# EAGLE board Mk4 Final a Panel score 2x5 (EAGLE 9.0.1), part 20 of 29 (continued)
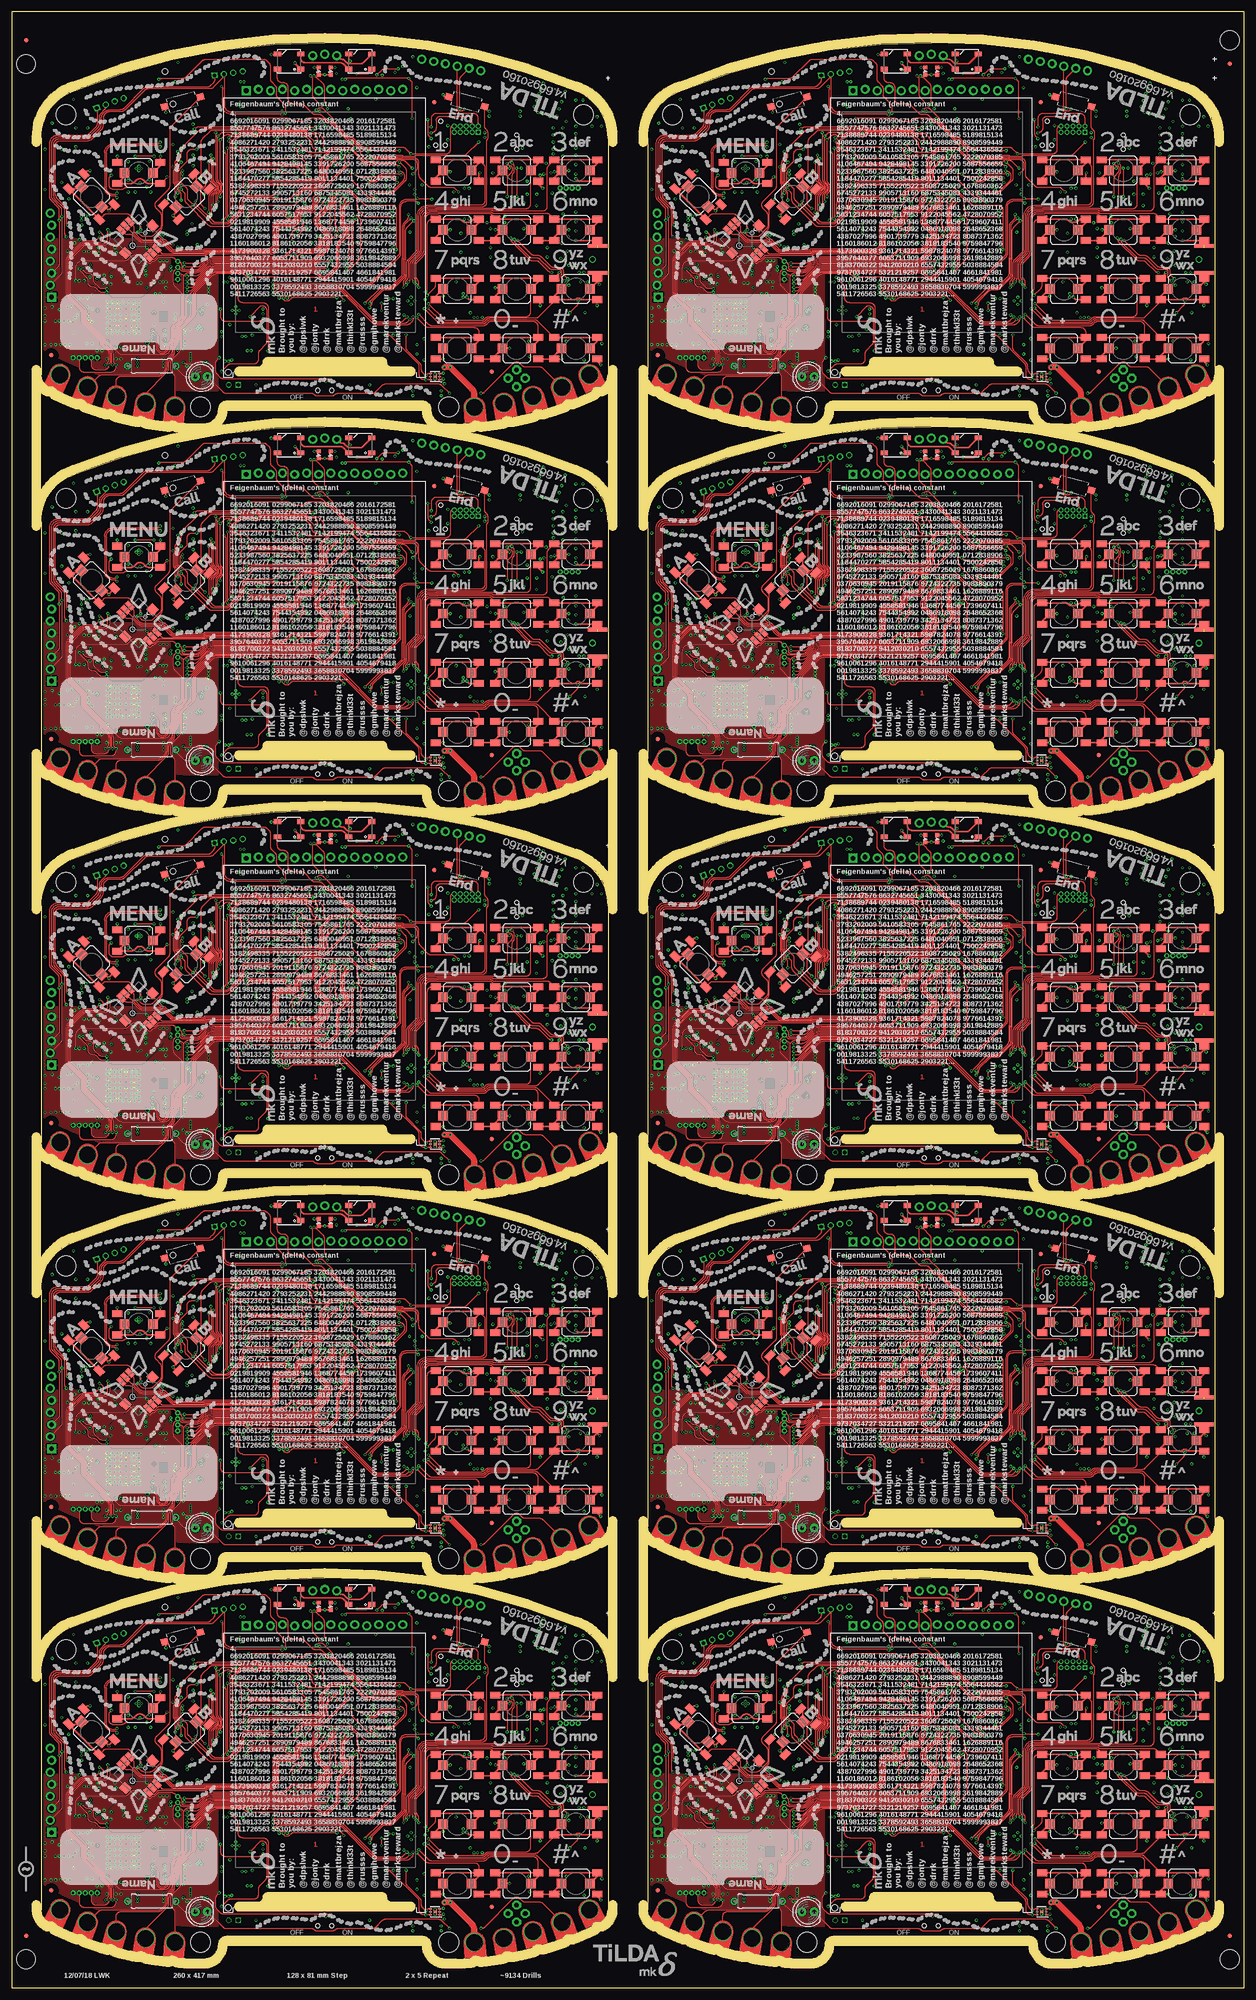
[diagram p0: board, top side]
## Tracks (layer width: path | path; a pad name or v marks a point on that pad's centre or on a via) (continued)
SDRAM_A20  (via drill 0.3)
  Top 0.15: v190.3,58.3 188.49,60.11 arc45 187.79,60.4 185.43,60.4 arc-45 185.28,60.46 185.28,60.47 arc45 185.13,60.52 178.94,60.52 arc45 178.23,60.23 v177.5,59.5 | v169,59.5 169,56.83 arc-45 168.71,56.12 168.14,55.56 arc45 167.85,54.85 167.85,52.81 arc45 168.14,52.11 v168.75,51.5
  Bottom 0.15: v177.5,59.5 IC19.13 v169,59.5 | IC19.32 v168.75,51.5 | IC20.25 190.6,53.26 190.62,53.28 190.62,57.56 arc45 190.33,58.27 v190.3,58.3
SDRAM_A21  (via drill 0.3)
  Top 0.15: v183.75,54.1 v183.74,54.09 arc-45 183.04,53.8 177.75,53.8 arc90 176.5,52.55 176.5,51.5 arc-45 176.21,50.79 173.88,48.47 arc-45 173.18,48.17 170.74,48.17 arc-45 170.03,48.47 v166.25,52.25 165.29,53.21 arc-45 165,53.91 165,55.33 arc45 164.71,56.03 163.47,57.27 arc-45 163.4,57.45 163.4,58.69 arc-45 163.55,59.05 v164,59.5
  Bottom 0.15: IC19.42 v164,59.5 | IC19.33 165.7,52.3 arc45 165.82,52.25 v166.25,52.25 | IC20.40 185.66,55.6 arc45 184.96,55.31 v183.75,54.1
SDRAM_A22  (via drill 0.3)
  Top 0.15: v163.75,53.25 163.75,54.34 arc45 163.46,55.05 163.38,55.12 arc-45 163.16,55.65 163.16,56.58 arc45 163.09,56.76 162.87,56.98 arc-45 162.8,57.16 162.8,59.24 arc-45 162.95,59.59 163.02,59.67 arc45 163.16,60.02 163.16,60.25 arc-45 163.46,60.96 v163.75,61.25 | v184.65,55.75 183.32,54.42 arc-45 182.61,54.12 177.5,54.12 arc90 176,52.62 176,51.42 arc-45 175.71,50.72 173.76,48.77 arc-45 173.05,48.48 171.2,48.48 arc-45 170.49,48.77 167.04,52.22 arc-45 166.75,52.92 v166.75,53
  Bottom 0.15: IC19.44 164.65,61.1 164.65,61.1 arc45 164.29,61.25 v163.75,61.25 | v163.75,53.25 164.29,53.25 arc-45 164.65,53.1 IC19.34 166.51,53.1 arc-45 v166.75,53 | IC20.41 185.25,56 arc45 v184.65,55.75
SDRAM_A23  (via drill 0.3)
  Top 0.15: v177.5,52.25 177.57,52.17 187.35,52.17 arc45 188.06,52.47 188.9,53.31 arc45 189.05,53.66 v189.05,53.8 | v170.5,52.25 170.5,53.95 arc-45 170.79,54.65 171.48,55.34 arc90 171.48,56.4 170.79,57.09 arc-45 170.5,57.8 v170.5,62
  Bottom 0.15: IC19.45 165.82,61.9 arc45 165.96,61.96 arc-45 166.06,62 v170.5,62 | v177.5,52.25 177,52.25 176.95,52.3 IC19.22 175.8,52.3 arc-45 175.68,52.25 v170.5,52.25 | IC20.50 187.54,59.6 arc-45 188.24,59.31 188.76,58.79 arc-45 189.05,58.09 v189.05,53.8
SDRAM_A24  (via drill 0.3)
  Top 0.15: v163,54.75 163,55.08 162.86,55.22 162.86,56.46 arc45 162.79,56.64 162.57,56.85 arc-45 162.5,57.03 162.5,59.37 arc-45 162.65,59.72 162.72,59.79 arc45 162.86,60.14 162.86,60.95 arc-45 163.16,61.66 163.46,61.96 arc45 163.75,62.66 v163.75,64.25 167.53,68.03 arc-45 168.24,68.33 178.73,68.33 178.79,68.38 arc-90 180.21,68.38 180.42,68.17 190.97,68.17 arc-45 v191.47,67.97
  Bottom 0.15: IC19.48 164.55,64.3 164.5,64.25 v163.75,64.25 | IC19.36 164.55,54.7 164.5,54.75 v163,54.75 | v191.47,67.97 191.8,67.64 IC20.75
SDRAM_A25  (via drill 0.3)
  Top 0.15: v163,63.5 163,62.41 arc-45 162.71,61.71 arc45 162.5,61.21 162.5,60.49 162.53,60.47 162.53,60.1 arc-45 162.47,59.98 162.47,59.97 162.35,59.84 arc45 162.2,59.49 162.2,56.91 arc45 162.27,56.73 162.4,56.6 arc-45 162.47,56.42 162.47,54.53 162.5,54.51 v162.5,54 | v175.25,54.75 176.68,56.18 arc45 176.97,56.89 176.97,57.71 arc-45 177.27,58.42 178.46,59.61 arc-45 179.16,59.9 183.94,59.9 arc-45 184.64,59.61 184.96,59.29 arc45 185.66,59 v187.75,59
  Bottom 0.15: IC19.47 v163,63.5 | v162.5,54 164.42,54 arc-45 164.56,53.94 164.6,53.9 IC19.35 170.49,53.9 arc45 171.19,54.19 171.46,54.46 arc-45 172.16,54.75 v175.25,54.75 | IC20.49 187.27,59.2 arc-45 v187.75,59
SDRAM_A26  (via drill 0.3)
  Top 0.15: v43,148.5 v43,148.49 42.98,148.47 42.98,143.27 43.02,143.22 43.02,138.7 arc45 43.32,137.99 43.73,137.58 arc-90 43.73,136.17 43.27,135.71 arc45 42.98,135 42.98,133.52 43.02,133.47 43.02,133.03 43,133.01 v43,132.5 | v58.3,132.5 57.99,132.19 arc-45 57.29,131.9 50.51,131.9 arc-45 49.81,132.19 v49.5,132.5
  Bottom 0.15: IC37.2 44.21,149.3 arc45 43.51,149.01 v43,148.5 | IC38.29 61,133.03 arc90 60.5,133.53 60.12,133.53 | v49.5,132.5 IC37.23 v43,132.5 | 60.12,133.53 | 60.12,133.53 59.68,133.53 arc45 59.08,133.28 v58.3,132.5
SDRAM_A27  (via drill 0.3)
  Top 0.15: v58.3,131.75 arc-45 57.94,131.6 49.86,131.6 arc-45 v49.5,131.75 | v45.75,147.5 46.11,147.14 arc-45 46.4,146.44 46.4,145.13 arc45 46.44,145.03 arc-45 46.5,144.89 v46.5,131.75
  Bottom 0.15: v45.75,147.5 arc-45 46.23,147.7 IC37.4 | IC38.30 60.6,132.97 arc90 60.35,133.22 59.68,133.22 arc45 59.33,133.08 59.21,132.96 arc45 59,132.45 arc-90 v58.3,131.75 | v49.5,131.75 49.07,131.75 arc45 48.95,131.7 IC37.24 47.8,131.7 47.75,131.75 v46.5,131.75
SDRAM_A28  (via drill 0.3)
  Top 0.15: v45.7,146.75 45.73,146.72 arc-45 46.02,146.01 46.02,133.4 45.98,133.35 45.98,131.03 v46,131 | v58.3,131 v58.29,131.01 arc45 57.59,131.3 50.21,131.3 arc45 v49.51,131.01 v49.5,131
  Bottom 0.15: v45.7,146.75 arc-45 46.06,146.9 IC37.5 | v49.5,131 49.08,131 arc45 48.94,130.94 48.9,130.9 IC37.25 47.85,130.9 47.81,130.94 arc45 47.67,131 v46,131 | IC38.31 60.2,130.85 arc-90 59.7,130.35 58.8,130.35 arc-90 58.3,130.85 v58.3,131 v58.3,130.99
SDRAM_A29  (via drill 0.3)
  Top 0.15: v45.5,145.25 45.48,145.22 45.48,130.28 v45.5,130.25 | v49.5,130.25 49.96,130.71 arc-45 50.66,131 57.14,131 arc-45 57.84,130.71 58.02,130.53 arc90 58.73,130.53 v59.2,131
  Bottom 0.15: v49.5,130.25 49,130.25 48.85,130.1 IC37.26 47.9,130.1 47.81,130.19 arc45 47.67,130.25 v45.5,130.25 | v59.2,131 59.3,131 arc90 59.8,131.5 IC38.32 | v45.5,145.25 45.52,145.25 45.57,145.2 46.61,145.2 arc-45 46.75,145.14 46.77,145.11 arc90 47.84,145.11 48.02,145.3 IC37.7
SDRAM_A30  (via drill 0.3)
  Top 0.15: v49.5,144.5 50.58,143.42 arc45 51.29,143.12 60.71,143.12 arc-45 61.42,142.83 v62.25,142 | v44.75,144.5 44.95,144.3 arc-45 45.1,143.94 45.1,130.76 arc-45 44.95,130.4 v44.55,130
  Bottom 0.15: IC38.22 63.8,140.04 arc45 63.51,140.74 v62.25,142 | v44.75,144.5 IC37.8 v49.5,144.5 | IC37.29 37.59,130.1 arc-45 37.69,130.06 arc45 37.83,130 v44.55,130
SDRAM_A31  (via drill 0.3)
  Top 0.15: v42,143.75 41.98,143.72 41.98,142.58 arc45 42.02,142.48 arc-45 42.08,142.34 42.08,138.8 arc45 42.37,138.09 43.23,137.23 arc-90 43.23,136.52 42.27,135.55 arc45 41.98,134.85 41.98,132.4 42.02,132.35 42.02,131.03 v42,131 | v62.25,141 61.54,141.71 arc45 60.84,142 57.67,142 arc-45 57.53,142.06 57.52,142.07 arc45 57.38,142.12 50.79,142.12 arc-45 50.08,142.42 v49.5,143
  Bottom 0.15: v62.25,141 63.11,140.14 arc-45 63.4,139.44 IC38.23 | v42,143.75 42.09,143.75 arc-45 42.79,143.46 42.96,143.29 arc45 43.66,143 47.42,143 arc-45 47.56,142.94 arc45 47.66,142.9 IC37.10 48.82,142.9 arc45 48.96,142.96 arc-45 49.06,143 v49.5,143 | IC37.30 37.59,130.9 arc45 37.69,130.94 arc-45 37.83,131 v42,131
SDRAM_A32  (via drill 0.3)
  Top 0.15: v41.5,142.25 41.5,140.74 41.52,140.72 41.52,138.93 arc45 41.82,138.22 42.99,137.05 arc-90 42.99,136.7 41.79,135.5 arc45 41.5,134.8 v41.5,131.75 | v62.25,140.25 61.09,141.41 arc45 60.39,141.7 57.55,141.7 arc-45 57.41,141.76 57.4,141.77 arc45 57.26,141.82 50.34,141.82 arc-45 49.63,142.12 v49.5,142.25
  Bottom 0.15: v62.25,140.25 62.71,139.79 arc-45 63,139.09 IC38.24 | v41.5,142.25 47.42,142.25 arc-45 47.56,142.19 47.59,142.16 arc45 47.73,142.1 IC37.11 48.77,142.1 arc45 48.91,142.16 48.94,142.19 arc-45 49.08,142.25 v49.5,142.25 | IC37.31 37.7,131.7 arc-45 37.82,131.75 v41.5,131.75
SDRAM_A33  (via drill 0.3)
  Top 0.15: v62.3,139.3 60.49,141.11 arc45 59.79,141.4 57.42,141.4 arc-45 57.28,141.46 57.28,141.47 arc45 57.13,141.53 50.94,141.53 arc45 50.23,141.23 v49.5,140.5 | v41,140.5 41,137.83 arc-45 40.71,137.12 40.14,136.56 arc45 39.85,135.85 39.85,133.81 arc45 40.14,133.11 v40.75,132.5
  Bottom 0.15: v49.5,140.5 IC37.13 v41,140.5 | IC37.32 v40.75,132.5 | IC38.25 62.6,134.26 62.62,134.28 62.62,138.56 arc45 62.33,139.27 v62.3,139.3
SDRAM_A34  (via drill 0.3)
  Top 0.15: v55.75,135.1 v55.74,135.09 arc-45 55.04,134.8 49.75,134.8 arc90 48.5,133.55 48.5,132.5 arc-45 48.21,131.79 45.89,129.47 arc-45 45.18,129.18 42.74,129.18 arc-45 42.03,129.47 v38.25,133.25 37.29,134.21 arc-45 37,134.91 37,136.33 arc45 36.71,137.03 35.47,138.27 arc-45 35.4,138.45 35.4,139.69 arc-45 35.55,140.05 v36,140.5
  Bottom 0.15: IC37.42 v36,140.5 | IC37.33 37.7,133.3 arc45 37.82,133.25 v38.25,133.25 | IC38.40 57.66,136.6 arc45 56.96,136.31 v55.75,135.1
SDRAM_A35  (via drill 0.3)
  Top 0.15: v35.75,134.25 35.75,135.34 arc45 35.46,136.05 35.38,136.12 arc-45 35.16,136.65 35.16,137.58 arc45 35.09,137.76 34.87,137.98 arc-45 34.8,138.16 34.8,140.24 arc-45 34.95,140.59 35.02,140.67 arc45 35.16,141.02 35.16,141.25 arc-45 35.46,141.96 v35.75,142.25 | v56.65,136.75 55.32,135.42 arc-45 54.61,135.12 49.5,135.12 arc90 48,133.62 48,132.42 arc-45 47.71,131.72 45.76,129.77 arc-45 45.05,129.47 43.2,129.47 arc-45 42.49,129.77 39.04,133.22 arc-45 38.75,133.92 v38.75,134
  Bottom 0.15: IC37.44 36.65,142.1 36.65,142.1 arc45 36.29,142.25 v35.75,142.25 | v35.75,134.25 36.29,134.25 arc-45 36.65,134.1 IC37.34 38.51,134.1 arc-45 v38.75,134 | IC38.41 57.25,137 arc45 v56.65,136.75
SDRAM_A36  (via drill 0.3)
  Top 0.15: v49.5,133.25 49.58,133.18 59.35,133.18 arc45 60.06,133.47 60.9,134.31 arc45 61.05,134.66 v61.05,134.8 | v42.5,133.25 42.5,134.95 arc-45 42.79,135.65 43.48,136.34 arc90 43.48,137.4 42.79,138.09 arc-45 42.5,138.8 v42.5,143
  Bottom 0.15: IC37.45 37.82,142.9 arc45 37.96,142.96 arc-45 38.06,143 v42.5,143 | v49.5,133.25 49,133.25 48.95,133.3 IC37.22 47.8,133.3 arc-45 47.68,133.25 v42.5,133.25 | IC38.50 59.54,140.6 arc-45 60.24,140.31 60.76,139.79 arc-45 61.05,139.09 v61.05,134.8
SDRAM_A37  (via drill 0.3)
  Top 0.15: v35,135.75 35,136.08 34.86,136.22 34.86,137.46 arc45 34.79,137.64 34.57,137.85 arc-45 34.5,138.03 34.5,140.37 arc-45 34.65,140.72 34.72,140.79 arc45 34.86,141.14 34.86,141.95 arc-45 35.16,142.66 35.46,142.96 arc45 35.75,143.66 v35.75,145.25 39.53,149.03 arc-45 40.24,149.32 50.73,149.32 50.79,149.38 arc-90 52.21,149.38 52.42,149.18 62.97,149.18 arc-45 v63.47,148.97
  Bottom 0.15: IC37.48 36.55,145.3 36.5,145.25 v35.75,145.25 | IC37.36 36.55,135.7 36.5,135.75 v35,135.75 | v63.47,148.97 63.8,148.64 IC38.75
SDRAM_A38  (via drill 0.3)
  Top 0.15: v35,144.5 35,143.41 arc-45 34.71,142.71 arc45 34.5,142.21 34.5,141.49 34.52,141.47 34.52,141.1 arc-45 34.48,140.98 34.48,140.97 34.35,140.84 arc45 34.2,140.49 34.2,137.91 arc45 34.27,137.73 34.4,137.6 arc-45 34.48,137.42 34.48,135.53 34.5,135.51 v34.5,135 | v47.25,135.75 48.68,137.18 arc45 48.98,137.89 48.98,138.71 arc-45 49.27,139.42 50.46,140.61 arc-45 51.16,140.9 55.94,140.9 arc-45 56.64,140.61 56.96,140.29 arc45 57.66,140 v59.75,140
  Bottom 0.15: IC37.47 v35,144.5 | v34.5,135 36.42,135 arc-45 36.56,134.94 36.6,134.9 IC37.35 42.49,134.9 arc45 43.19,135.19 43.46,135.46 arc-45 44.16,135.75 v47.25,135.75 | IC38.49 59.27,140.2 arc-45 v59.75,140
SDRAM_A39  (via drill 0.3)
  Top 0.15: v171,148.5 v171,148.49 170.97,148.47 170.97,143.27 171.03,143.22 171.03,138.7 arc45 171.32,137.99 171.73,137.58 arc-90 171.73,136.17 171.27,135.71 arc45 170.97,135 170.97,133.52 171.03,133.47 171.03,133.03 171,133.01 v171,132.5 | v186.3,132.5 185.99,132.19 arc-45 185.29,131.9 178.51,131.9 arc-45 177.81,132.19 v177.5,132.5
  Bottom 0.15: IC55.2 172.21,149.3 arc45 171.51,149.01 v171,148.5 | IC56.29 189,133.03 arc90 188.5,133.53 188.12,133.53 | v177.5,132.5 IC55.23 v171,132.5 | 188.12,133.53 | 188.12,133.53 187.68,133.53 arc45 187.08,133.28 v186.3,132.5
SDRAM_A40  (via drill 0.3)
  Top 0.15: v186.3,131.75 arc-45 185.94,131.6 177.86,131.6 arc-45 v177.5,131.75 | v173.75,147.5 174.11,147.14 arc-45 174.4,146.44 174.4,145.13 arc45 174.44,145.03 arc-45 174.5,144.89 v174.5,131.75
  Bottom 0.15: v173.75,147.5 arc-45 174.23,147.7 IC55.4 | IC56.30 188.6,132.97 arc90 188.35,133.22 187.68,133.22 arc45 187.33,133.08 187.21,132.96 arc45 187,132.45 arc-90 v186.3,131.75 | v177.5,131.75 177.07,131.75 arc45 176.95,131.7 IC55.24 175.8,131.7 175.75,131.75 v174.5,131.75
SDRAM_A41  (via drill 0.3)
  Top 0.15: v173.7,146.75 173.73,146.72 arc-45 174.03,146.01 174.03,133.4 173.97,133.35 173.97,131.03 v174,131 | v186.3,131 v186.29,131.01 arc45 185.59,131.3 178.21,131.3 arc45 v177.51,131.01 v177.5,131
  Bottom 0.15: v173.7,146.75 arc-45 174.06,146.9 IC55.5 | v177.5,131 177.08,131 arc45 176.94,130.94 176.9,130.9 IC55.25 175.85,130.9 175.81,130.94 arc45 175.67,131 v174,131 | IC56.31 188.2,130.85 arc-90 187.7,130.35 186.8,130.35 arc-90 186.3,130.85 v186.3,131 v186.3,130.99
SDRAM_A42  (via drill 0.3)
  Top 0.15: v173.5,145.25 173.47,145.22 173.47,130.28 v173.5,130.25 | v177.5,130.25 177.96,130.71 arc-45 178.66,131 185.14,131 arc-45 185.84,130.71 186.02,130.53 arc90 186.73,130.53 v187.2,131
  Bottom 0.15: v177.5,130.25 177,130.25 176.85,130.1 IC55.26 175.9,130.1 175.81,130.19 arc45 175.67,130.25 v173.5,130.25 | v187.2,131 187.3,131 arc90 187.8,131.5 IC56.32 | v173.5,145.25 173.52,145.25 173.57,145.2 174.61,145.2 arc-45 174.75,145.14 174.78,145.11 arc90 175.83,145.11 176.02,145.3 IC55.7
SDRAM_A43  (via drill 0.3)
  Top 0.15: v177.5,144.5 178.58,143.42 arc45 179.29,143.12 188.71,143.12 arc-45 189.42,142.83 v190.25,142 | v172.75,144.5 172.95,144.3 arc-45 173.1,143.94 173.1,130.76 arc-45 172.95,130.4 v172.55,130
  Bottom 0.15: IC56.22 191.8,140.04 arc45 191.51,140.74 v190.25,142 | v172.75,144.5 IC55.8 v177.5,144.5 | IC55.29 165.59,130.1 arc-45 165.69,130.06 arc45 165.83,130 v172.55,130
SDRAM_A44  (via drill 0.3)
  Top 0.15: v170,143.75 169.97,143.72 169.97,142.58 arc45 170.02,142.48 arc-45 170.07,142.34 170.07,138.8 arc45 170.37,138.09 171.24,137.23 arc-90 171.24,136.52 170.27,135.55 arc45 169.97,134.85 169.97,132.4 170.03,132.35 170.03,131.03 v170,131 | v190.25,141 189.54,141.71 arc45 188.84,142 185.67,142 arc-45 185.53,142.06 185.53,142.07 arc45 185.38,142.12 178.79,142.12 arc-45 178.08,142.42 v177.5,143
  Bottom 0.15: v190.25,141 191.11,140.14 arc-45 191.4,139.44 IC56.23 | v170,143.75 170.09,143.75 arc-45 170.79,143.46 170.96,143.29 arc45 171.66,143 175.42,143 arc-45 175.56,142.94 arc45 175.66,142.9 IC55.10 176.82,142.9 arc45 176.96,142.96 arc-45 177.06,143 v177.5,143 | IC55.30 165.59,130.9 arc45 165.69,130.94 arc-45 165.83,131 v170,131
SDRAM_A45  (via drill 0.3)
  Top 0.15: v169.5,142.25 169.5,140.74 169.53,140.72 169.53,138.93 arc45 169.82,138.22 170.99,137.05 arc-90 170.99,136.7 169.79,135.5 arc45 169.5,134.8 v169.5,131.75 | v190.25,140.25 189.09,141.41 arc45 188.39,141.7 185.55,141.7 arc-45 185.41,141.76 185.4,141.77 arc45 185.26,141.82 178.34,141.82 arc-45 177.63,142.12 v177.5,142.25
  Bottom 0.15: v190.25,140.25 190.71,139.79 arc-45 191,139.09 IC56.24 | v169.5,142.25 175.42,142.25 arc-45 175.56,142.19 175.59,142.16 arc45 175.73,142.1 IC55.11 176.77,142.1 arc45 176.91,142.16 176.94,142.19 arc-45 177.08,142.25 v177.5,142.25 | IC55.31 165.7,131.7 arc-45 165.82,131.75 v169.5,131.75
SDRAM_A46  (via drill 0.3)
  Top 0.15: v190.3,139.3 188.49,141.11 arc45 187.79,141.4 185.43,141.4 arc-45 185.28,141.46 185.28,141.47 arc45 185.13,141.53 178.94,141.53 arc45 178.23,141.23 v177.5,140.5 | v169,140.5 169,137.83 arc-45 168.71,137.12 168.14,136.56 arc45 167.85,135.85 167.85,133.81 arc45 168.14,133.11 v168.75,132.5
  Bottom 0.15: v177.5,140.5 IC55.13 v169,140.5 | IC55.32 v168.75,132.5 | IC56.25 190.6,134.26 190.62,134.28 190.62,138.56 arc45 190.33,139.27 v190.3,139.3
SDRAM_A47  (via drill 0.3)
  Top 0.15: v183.75,135.1 v183.74,135.09 arc-45 183.04,134.8 177.75,134.8 arc90 176.5,133.55 176.5,132.5 arc-45 176.21,131.79 173.88,129.47 arc-45 173.18,129.18 170.74,129.18 arc-45 170.03,129.47 v166.25,133.25 165.29,134.21 arc-45 165,134.91 165,136.33 arc45 164.71,137.03 163.47,138.27 arc-45 163.4,138.45 163.4,139.69 arc-45 163.55,140.05 v164,140.5
  Bottom 0.15: IC55.42 v164,140.5 | IC55.33 165.7,133.3 arc45 165.82,133.25 v166.25,133.25 | IC56.40 185.66,136.6 arc45 184.96,136.31 v183.75,135.1
SDRAM_A48  (via drill 0.3)
  Top 0.15: v163.75,134.25 163.75,135.34 arc45 163.46,136.05 163.38,136.12 arc-45 163.16,136.65 163.16,137.58 arc45 163.09,137.76 162.87,137.98 arc-45 162.8,138.16 162.8,140.24 arc-45 162.95,140.59 163.02,140.67 arc45 163.16,141.02 163.16,141.25 arc-45 163.46,141.96 v163.75,142.25 | v184.65,136.75 183.32,135.42 arc-45 182.61,135.12 177.5,135.12 arc90 176,133.62 176,132.42 arc-45 175.71,131.72 173.76,129.77 arc-45 173.05,129.47 171.2,129.47 arc-45 170.49,129.77 167.04,133.22 arc-45 166.75,133.92 v166.75,134
  Bottom 0.15: IC55.44 164.65,142.1 164.65,142.1 arc45 164.29,142.25 v163.75,142.25 | v163.75,134.25 164.29,134.25 arc-45 164.65,134.1 IC55.34 166.51,134.1 arc-45 v166.75,134 | IC56.41 185.25,137 arc45 v184.65,136.75
SDRAM_A49  (via drill 0.3)
  Top 0.15: v177.5,133.25 177.57,133.18 187.35,133.18 arc45 188.06,133.47 188.9,134.31 arc45 189.05,134.66 v189.05,134.8 | v170.5,133.25 170.5,134.95 arc-45 170.79,135.65 171.48,136.34 arc90 171.48,137.4 170.79,138.09 arc-45 170.5,138.8 v170.5,143
  Bottom 0.15: IC55.45 165.82,142.9 arc45 165.96,142.96 arc-45 166.06,143 v170.5,143 | v177.5,133.25 177,133.25 176.95,133.3 IC55.22 175.8,133.3 arc-45 175.68,133.25 v170.5,133.25 | IC56.50 187.54,140.6 arc-45 188.24,140.31 188.76,139.79 arc-45 189.05,139.09 v189.05,134.8
SDRAM_A50  (via drill 0.3)
  Top 0.15: v163,135.75 163,136.08 162.86,136.22 162.86,137.46 arc45 162.79,137.64 162.57,137.85 arc-45 162.5,138.03 162.5,140.37 arc-45 162.65,140.72 162.72,140.79 arc45 162.86,141.14 162.86,141.95 arc-45 163.16,142.66 163.46,142.96 arc45 163.75,143.66 v163.75,145.25 167.53,149.03 arc-45 168.24,149.32 178.73,149.32 178.79,149.38 arc-90 180.21,149.38 180.42,149.18 190.97,149.18 arc-45 v191.47,148.97
  Bottom 0.15: IC55.48 164.55,145.3 164.5,145.25 v163.75,145.25 | IC55.36 164.55,135.7 164.5,135.75 v163,135.75 | v191.47,148.97 191.8,148.64 IC56.75
SDRAM_A51  (via drill 0.3)
  Top 0.15: v163,144.5 163,143.41 arc-45 162.71,142.71 arc45 162.5,142.21 162.5,141.49 162.53,141.47 162.53,141.1 arc-45 162.47,140.98 162.47,140.97 162.35,140.84 arc45 162.2,140.49 162.2,137.91 arc45 162.27,137.73 162.4,137.6 arc-45 162.47,137.42 162.47,135.53 162.5,135.51 v162.5,135 | v175.25,135.75 176.68,137.18 arc45 176.97,137.89 176.97,138.71 arc-45 177.27,139.42 178.46,140.61 arc-45 179.16,140.9 183.94,140.9 arc-45 184.64,140.61 184.96,140.29 arc45 185.66,140 v187.75,140
  Bottom 0.15: IC55.47 v163,144.5 | v162.5,135 164.42,135 arc-45 164.56,134.94 164.6,134.9 IC55.35 170.49,134.9 arc45 171.19,135.19 171.46,135.46 arc-45 172.16,135.75 v175.25,135.75 | IC56.49 187.27,140.2 arc-45 v187.75,140
SDRAM_A52  (via drill 0.3)
  Top 0.15: v43,229.5 v43,229.49 42.98,229.47 42.98,224.27 43.02,224.22 43.02,219.7 arc45 43.32,218.99 43.73,218.58 arc-90 43.73,217.17 43.27,216.71 arc45 42.98,216 42.98,214.52 43.02,214.47 43.02,214.03 43,214.01 v43,213.5 | v58.3,213.5 57.99,213.19 arc-45 57.29,212.9 50.51,212.9 arc-45 49.81,213.19 v49.5,213.5
  Bottom 0.15: IC73.2 44.21,230.3 arc45 43.51,230.01 v43,229.5 | IC74.29 61,214.03 arc90 60.5,214.53 60.12,214.53 | v49.5,213.5 IC73.23 v43,213.5 | 60.12,214.53 | 60.12,214.53 59.68,214.53 arc45 59.08,214.28 v58.3,213.5
SDRAM_A53  (via drill 0.3)
  Top 0.15: v58.3,212.75 arc-45 57.94,212.6 49.86,212.6 arc-45 v49.5,212.75 | v45.75,228.5 46.11,228.14 arc-45 46.4,227.44 46.4,226.13 arc45 46.44,226.03 arc-45 46.5,225.89 v46.5,212.75
  Bottom 0.15: v45.75,228.5 arc-45 46.23,228.7 IC73.4 | IC74.30 60.6,213.97 arc90 60.35,214.22 59.68,214.22 arc45 59.33,214.08 59.21,213.96 arc45 59,213.45 arc-90 v58.3,212.75 | v49.5,212.75 49.07,212.75 arc45 48.95,212.7 IC73.24 47.8,212.7 47.75,212.75 v46.5,212.75
SDRAM_A54  (via drill 0.3)
  Top 0.15: v45.7,227.75 45.73,227.72 arc-45 46.02,227.01 46.02,214.4 45.98,214.35 45.98,212.03 v46,212 | v58.3,212 v58.29,212.01 arc45 57.59,212.3 50.21,212.3 arc45 v49.51,212.01 v49.5,212
  Bottom 0.15: v45.7,227.75 arc-45 46.06,227.9 IC73.5 | v49.5,212 49.08,212 arc45 48.94,211.94 48.9,211.9 IC73.25 47.85,211.9 47.81,211.94 arc45 47.67,212 v46,212 | IC74.31 60.2,211.85 arc-90 59.7,211.35 58.8,211.35 arc-90 58.3,211.85 v58.3,212 v58.3,211.99
SDRAM_A55  (via drill 0.3)
  Top 0.15: v45.5,226.25 45.48,226.22 45.48,211.28 v45.5,211.25 | v49.5,211.25 49.96,211.71 arc-45 50.66,212 57.14,212 arc-45 57.84,211.71 58.02,211.53 arc90 58.73,211.53 v59.2,212
  Bottom 0.15: v49.5,211.25 49,211.25 48.85,211.1 IC73.26 47.9,211.1 47.81,211.19 arc45 47.67,211.25 v45.5,211.25 | v59.2,212 59.3,212 arc90 59.8,212.5 IC74.32 | v45.5,226.25 45.52,226.25 45.57,226.2 46.61,226.2 arc-45 46.75,226.14 46.77,226.11 arc90 47.84,226.11 48.02,226.3 IC73.7
SDRAM_A56  (via drill 0.3)
  Top 0.15: v49.5,225.5 50.58,224.42 arc45 51.29,224.12 60.71,224.12 arc-45 61.42,223.83 v62.25,223 | v44.75,225.5 44.95,225.3 arc-45 45.1,224.94 45.1,211.76 arc-45 44.95,211.4 v44.55,211
  Bottom 0.15: IC74.22 63.8,221.04 arc45 63.51,221.74 v62.25,223 | v44.75,225.5 IC73.8 v49.5,225.5 | IC73.29 37.59,211.1 arc-45 37.69,211.06 arc45 37.83,211 v44.55,211
SDRAM_A57  (via drill 0.3)
  Top 0.15: v42,224.75 41.98,224.72 41.98,223.58 arc45 42.02,223.48 arc-45 42.08,223.34 42.08,219.8 arc45 42.37,219.09 43.23,218.23 arc-90 43.23,217.52 42.27,216.55 arc45 41.98,215.85 41.98,213.4 42.02,213.35 42.02,212.03 v42,212 | v62.25,222 61.54,222.71 arc45 60.84,223 57.67,223 arc-45 57.53,223.06 57.52,223.07 arc45 57.38,223.12 50.79,223.12 arc-45 50.08,223.42 v49.5,224
  Bottom 0.15: v62.25,222 63.11,221.14 arc-45 63.4,220.44 IC74.23 | v42,224.75 42.09,224.75 arc-45 42.79,224.46 42.96,224.29 arc45 43.66,224 47.42,224 arc-45 47.56,223.94 arc45 47.66,223.9 IC73.10 48.82,223.9 arc45 48.96,223.96 arc-45 49.06,224 v49.5,224 | IC73.30 37.59,211.9 arc45 37.69,211.94 arc-45 37.83,212 v42,212
SDRAM_A58  (via drill 0.3)
  Top 0.15: v41.5,223.25 41.5,221.74 41.52,221.72 41.52,219.93 arc45 41.82,219.22 42.99,218.05 arc-90 42.99,217.7 41.79,216.5 arc45 41.5,215.8 v41.5,212.75 | v62.25,221.25 61.09,222.41 arc45 60.39,222.7 57.55,222.7 arc-45 57.41,222.76 57.4,222.77 arc45 57.26,222.82 50.34,222.82 arc-45 49.63,223.12 v49.5,223.25
  Bottom 0.15: v62.25,221.25 62.71,220.79 arc-45 63,220.09 IC74.24 | v41.5,223.25 47.42,223.25 arc-45 47.56,223.19 47.59,223.16 arc45 47.73,223.1 IC73.11 48.77,223.1 arc45 48.91,223.16 48.94,223.19 arc-45 49.08,223.25 v49.5,223.25 | IC73.31 37.7,212.7 arc-45 37.82,212.75 v41.5,212.75
SDRAM_A59  (via drill 0.3)
  Top 0.15: v62.3,220.3 60.49,222.11 arc45 59.79,222.4 57.42,222.4 arc-45 57.28,222.46 57.28,222.47 arc45 57.13,222.53 50.94,222.53 arc45 50.23,222.23 v49.5,221.5 | v41,221.5 41,218.83 arc-45 40.71,218.12 40.14,217.56 arc45 39.85,216.85 39.85,214.81 arc45 40.14,214.11 v40.75,213.5
  Bottom 0.15: v49.5,221.5 IC73.13 v41,221.5 | IC73.32 v40.75,213.5 | IC74.25 62.6,215.26 62.62,215.28 62.62,219.56 arc45 62.33,220.27 v62.3,220.3
SDRAM_A60  (via drill 0.3)
  Top 0.15: v55.75,216.1 v55.74,216.09 arc-45 55.04,215.8 49.75,215.8 arc90 48.5,214.55 48.5,213.5 arc-45 48.21,212.79 45.89,210.47 arc-45 45.18,210.18 42.74,210.18 arc-45 42.03,210.47 v38.25,214.25 37.29,215.21 arc-45 37,215.91 37,217.33 arc45 36.71,218.03 35.47,219.27 arc-45 35.4,219.45 35.4,220.69 arc-45 35.55,221.05 v36,221.5
  Bottom 0.15: IC73.42 v36,221.5 | IC73.33 37.7,214.3 arc45 37.82,214.25 v38.25,214.25 | IC74.40 57.66,217.6 arc45 56.96,217.31 v55.75,216.1
SDRAM_A61  (via drill 0.3)
  Top 0.15: v35.75,215.25 35.75,216.34 arc45 35.46,217.05 35.38,217.12 arc-45 35.16,217.65 35.16,218.58 arc45 35.09,218.76 34.87,218.98 arc-45 34.8,219.16 34.8,221.24 arc-45 34.95,221.59 35.02,221.67 arc45 35.16,222.02 35.16,222.25 arc-45 35.46,222.96 v35.75,223.25 | v56.65,217.75 55.32,216.42 arc-45 54.61,216.12 49.5,216.12 arc90 48,214.62 48,213.42 arc-45 47.71,212.72 45.76,210.77 arc-45 45.05,210.47 43.2,210.47 arc-45 42.49,210.77 39.04,214.22 arc-45 38.75,214.92 v38.75,215
  Bottom 0.15: IC73.44 36.65,223.1 36.65,223.1 arc45 36.29,223.25 v35.75,223.25 | v35.75,215.25 36.29,215.25 arc-45 36.65,215.1 IC73.34 38.51,215.1 arc-45 v38.75,215 | IC74.41 57.25,218 arc45 v56.65,217.75
SDRAM_A62  (via drill 0.3)
  Top 0.15: v49.5,214.25 49.58,214.18 59.35,214.18 arc45 60.06,214.47 60.9,215.31 arc45 61.05,215.66 v61.05,215.8 | v42.5,214.25 42.5,215.95 arc-45 42.79,216.65 43.48,217.34 arc90 43.48,218.4 42.79,219.09 arc-45 42.5,219.8 v42.5,224
  Bottom 0.15: IC73.45 37.82,223.9 arc45 37.96,223.96 arc-45 38.06,224 v42.5,224 | v49.5,214.25 49,214.25 48.95,214.3 IC73.22 47.8,214.3 arc-45 47.68,214.25 v42.5,214.25 | IC74.50 59.54,221.6 arc-45 60.24,221.31 60.76,220.79 arc-45 61.05,220.09 v61.05,215.8
SDRAM_A63  (via drill 0.3)
  Top 0.15: v35,216.75 35,217.08 34.86,217.22 34.86,218.46 arc45 34.79,218.64 34.57,218.85 arc-45 34.5,219.03 34.5,221.37 arc-45 34.65,221.72 34.72,221.79 arc45 34.86,222.14 34.86,222.95 arc-45 35.16,223.66 35.46,223.96 arc45 35.75,224.66 v35.75,226.25 39.53,230.03 arc-45 40.24,230.32 50.73,230.32 50.79,230.38 arc-90 52.21,230.38 52.42,230.18 62.97,230.18 arc-45 v63.47,229.97
  Bottom 0.15: IC73.48 36.55,226.3 36.5,226.25 v35.75,226.25 | IC73.36 36.55,216.7 36.5,216.75 v35,216.75 | v63.47,229.97 63.8,229.64 IC74.75
SDRAM_A64  (via drill 0.3)